# Altium PCB pcb.PcbDoc (part 1 of 3)
Units mil, origin at the board's own origin, x right, y up, seen from the top; angles counter-clockwise.
Board outline 4487.66 x 5255 mil, 2 copper layers (Top Layer, Bottom Layer); 214 components, 192 nets, 883 pads, 298 vias.
Unrouted connection lines stored in the file: 2.
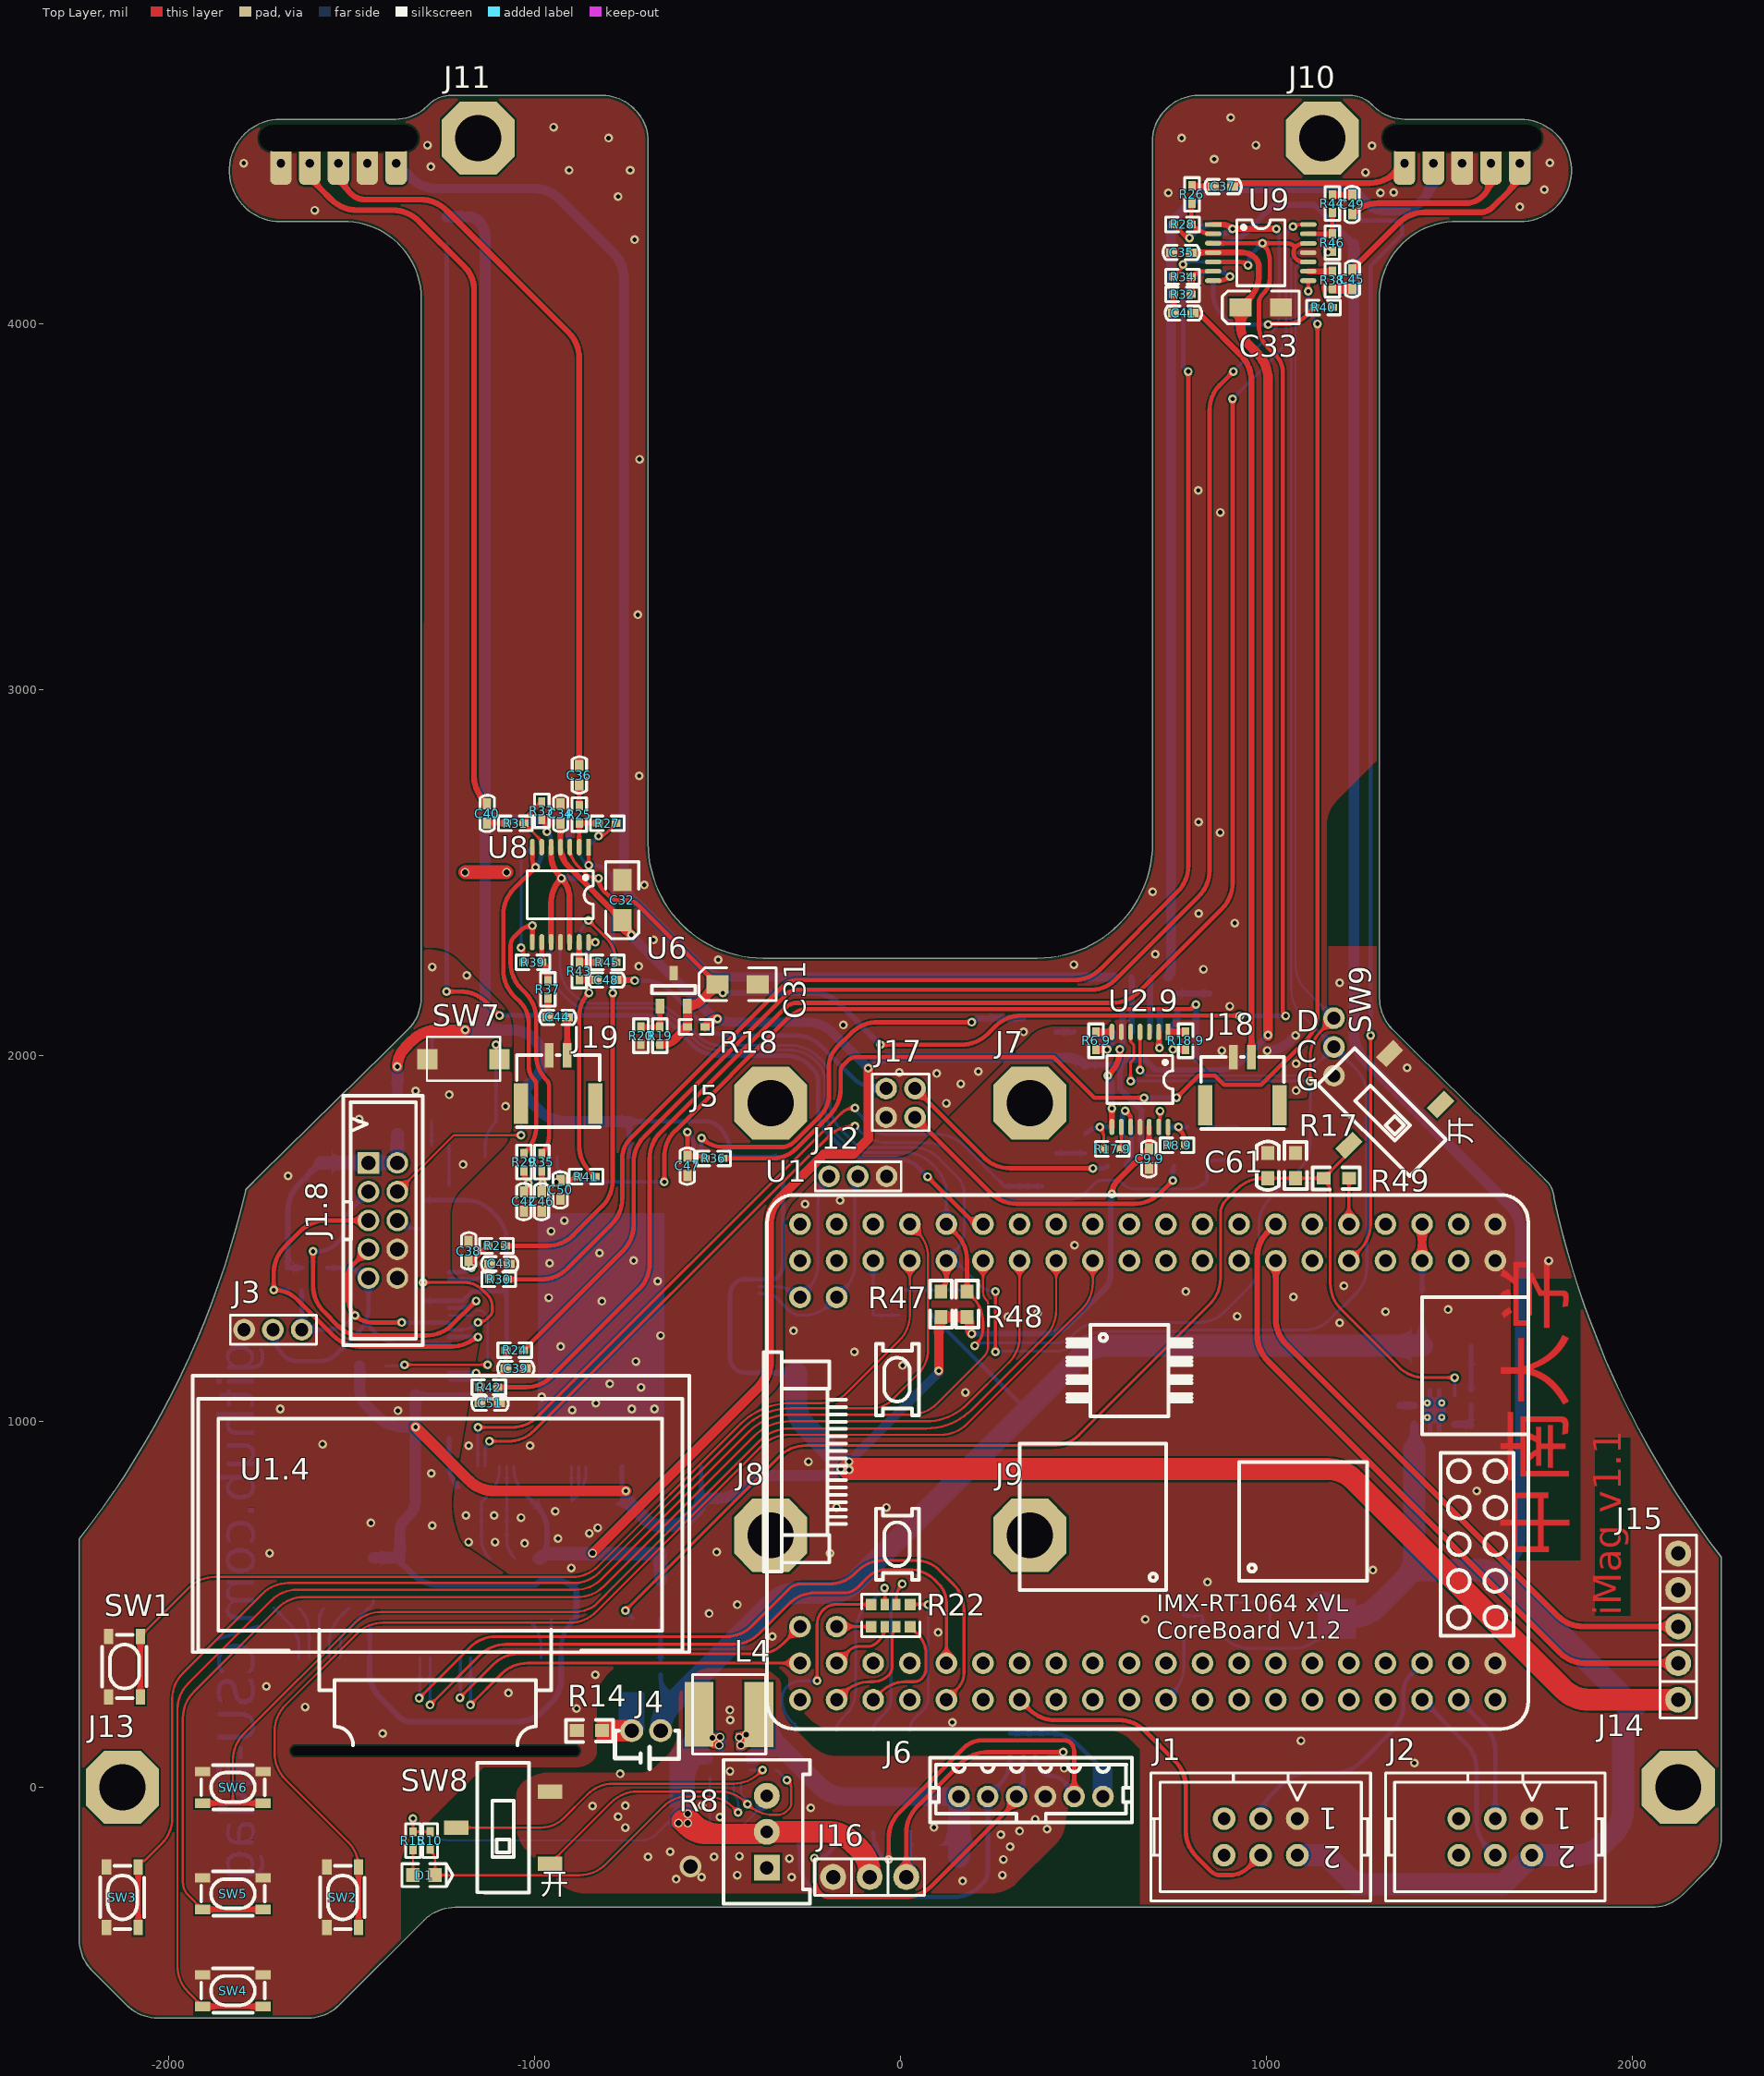
[diagram p0: Top Layer view]
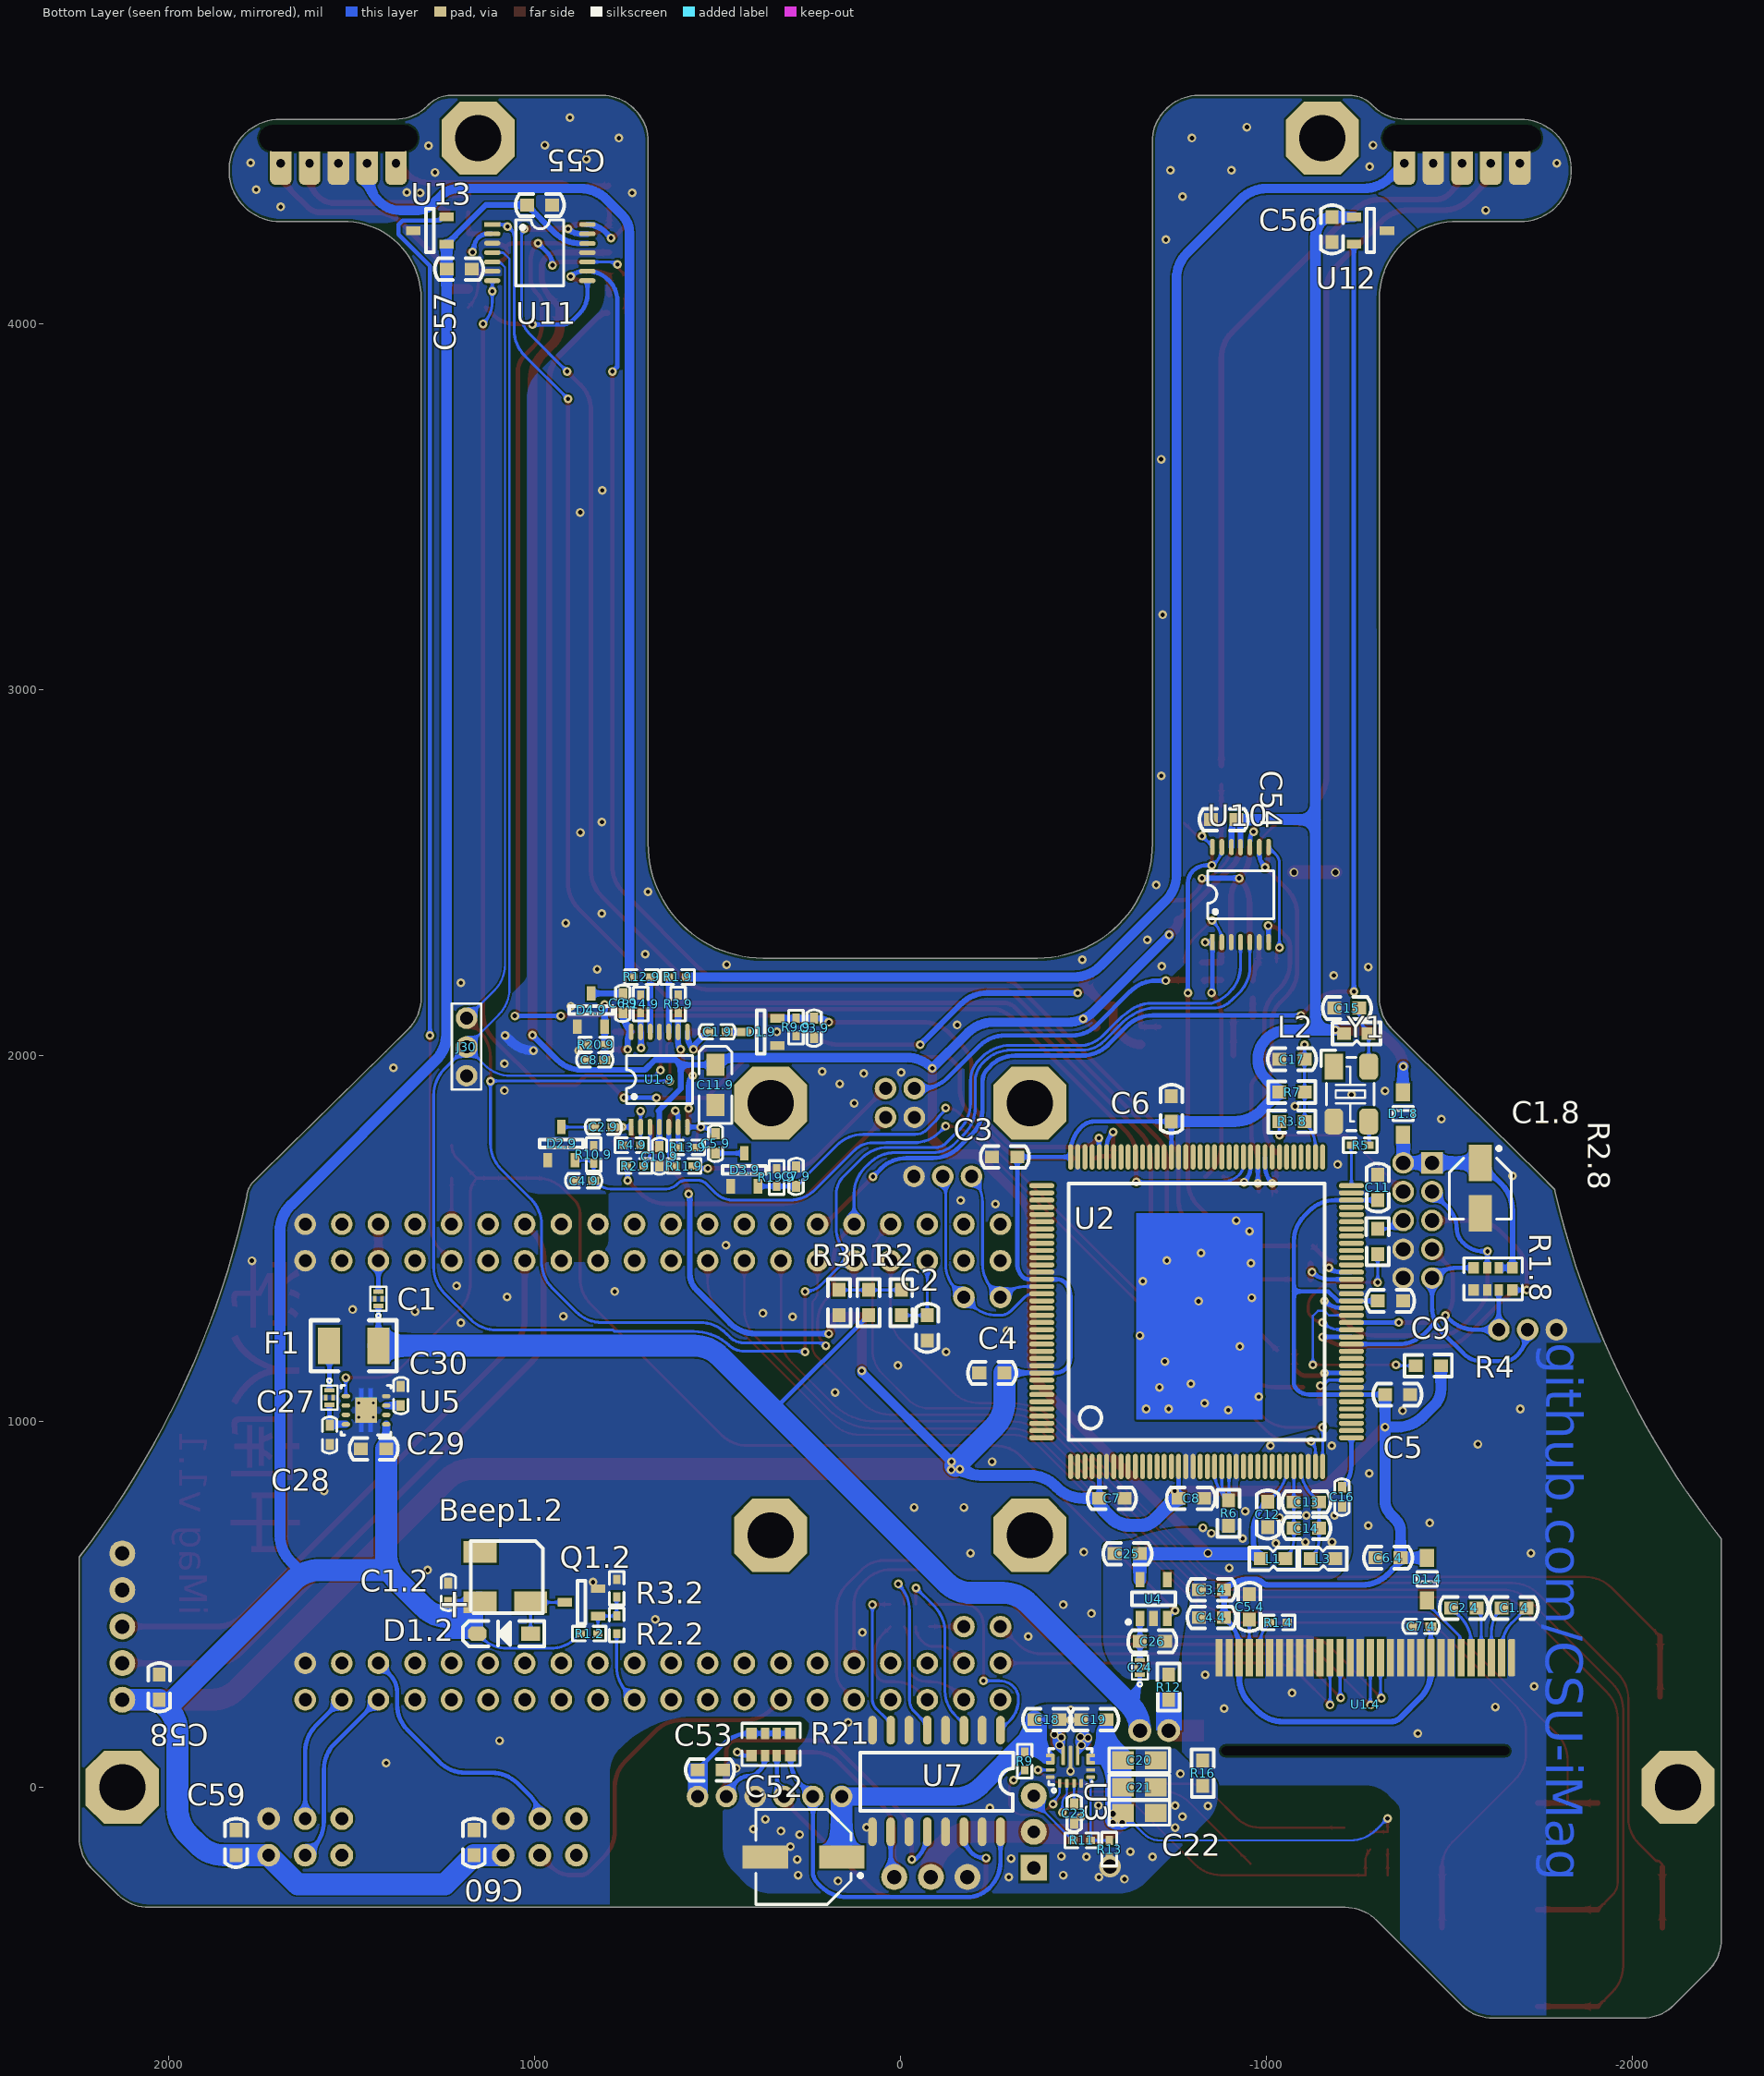
[diagram p1: Bottom Layer view, seen from below]

## Layer stack, top to bottom
Top Solder: solder mask 0.4, Solder Resist, Dk 3.5
Top Layer: signal copper 1.4
Dielectric 1: dielectric 12.6, FR-4, Dk 4.8
Bottom Layer: signal copper 1.4
Bottom Solder: solder mask 0.4, Solder Resist, Dk 3.5

## Board outline
-2114.35,-595.25 -2208.63,-500.96 cw(c-2123.28,-415.61) -2243.99,-415.61 -2243.99,678.98 ccw(c-4156.35,2176.87) -1789.66,1629.55 cw(c-1780.42,1629.55) -1786.95,1636.08 -1748.86,1674.17 -1405.66,2011.33 -1344.8,2072.18 ccw(c-1430.16,2157.53) -1309.45,2157.53 -1309.45,2265.12 -1309.45,4069.62 -1309.2,4069.62 ccw(c-1519.22,4069.62) -1508.99,4279.39 -1693.99,4279.39 cw(c-1693.99,4419.39) -1693.99,4559.39 -1378.99,4559.39 ccw(c-1378.99,4680.11) -1293.63,4594.75 -1288.99,4599.39 cw(c-1228.63,4539.04) -1228.63,4624.39 -813.99,4624.39 cw(c-813.99,4503.68) -728.63,4589.04 -724.35,4584.75 cw(c-809.7,4499.39) -688.99,4499.39 -688.99,2580.35 -689.19,2580.55 ccw(c-375.14,2580.55) -375.14,2266.5 375.12,2266.5 ccw(c375.12,2580.55) 689.16,2580.55 688.96,2580.35 688.96,4499.39 cw(c809.67,4499.39) 724.32,4584.75 728.61,4589.04 cw(c813.96,4503.68) 813.96,4624.39 1228.61,4624.39 cw(c1228.61,4539.04) 1288.96,4599.39 1293.61,4594.75 ccw(c1378.96,4680.11) 1378.96,4559.39 1693.96,4559.39 cw(c1693.96,4419.39) 1693.96,4279.39 1508.96,4279.39 ccw(c1519.19,4069.62) 1309.17,4069.62 1309.42,4069.62 1309.42,2265.12 1309.42,2157.53 1309.45,2157.53 ccw(c1430.16,2157.53) 1344.8,2072.18 1405.65,2011.33 1748.86,1674.17 1768.05,1654.98 cw(c1724.64,1611.58) 1786.03,1611.58 ccw(c4193.72,2135.93) 2243.67,629.53 2243.67,-137.94 cw(c2122.96,-137.94) 2208.32,-223.3 2139.03,-292.59 cw(c2053.67,-207.23) 2053.67,-327.94 -1216.33,-327.94 ccw(c-1216.33,-448.65) -1301.68,-363.3 -1533.63,-595.25 cw(c-1618.99,-509.89) -1618.99,-630.61 -2028.99,-630.61 cw(c-2028.99,-509.9)

## Design rules (kind name [scope] priority, off if disabled: settings)
BoardOutlineClearance [All] p1: gap=7.87 ignorepadtopadclearanceinfootprint=FALSE
Clearance [All] p1: gap=5 ignorepadtopadclearanceinfootprint=TRUE except(0: Arc-Text Arc-Hole Track-Text Track-Hole SMDPad-Hole THPad-Hole Via-Hole Fill-Text Fill-Hole Poly-Text Poly-Hole Region-Text Region-Hole Text-Text; 3.5: SMDPad-Text THPad-Text Via-Text Text-Hole; 5.91: Via-Fill Via-Poly Via-Region; 5.98: Arc-Via Track-Via SMDPad-Fill SMDPad-Poly SMDPad-Region THPad-Fill THPad-Poly THPad-Region; 6: Arc-SMDPad Arc-THPad Track-SMDPad Track-THPad; 10: SMDPad-SMDPad SMDPad-THPad SMDPad-Via THPad-THPad THPad-Via Via-Via)
ComponentClearance [All] p1: gap=10 collisioncheckmode=3 verticalgap=10 showdistances=TRUE
DiffPairsRouting [All] p1: maxlimit=10 minlimit=6 mostfreqgap=10 toplayer_minwidth=5.98 toplayer_maxwidth=15 toplayer_prefwidth=15 bottomlayer_minwidth=5.98 bottomlayer_maxwidth=15 bottomlayer_prefwidth=15 maxuncoupledlength=500
HoleSize [All] p1: absolutevalues=TRUE maxlimit=23.62 minlimit=11.81 maxpercent=80.000 minpercent=20.000
MinimumSolderMaskSliver [All] p1: minsoldermaskwidth=1.97
PlaneConnect [All] p1: planeconnectstyle=Direct reliefexpansion=20 reliefentries=4 reliefconductorwidth=10 reliefairgap=10
PolygonConnect [All] p1: connectstyle=Direct reliefconductorwidth=10 reliefentries=4 polygonreliefangle="90 Angle" airgapwidth=10
RoomDefinition U_slave [InComponentClass('U_slave')] p1: confinementstyle=ConfineOut formatcopy=TRUE lockcomponents=FALSE outline 3321.01,3024.39 9081.01,3024.39 9081.01,4064.39 3321.01,4064.39
RoomDefinition U_power [InComponentClass('U_power')] p2: confinementstyle=ConfineOut formatcopy=TRUE lockcomponents=FALSE outline 3326.01,914.39 12526.01,914.39 12526.01,2974.39 3326.01,2974.39
RoomDefinition U_OPA4377 [InComponentClass('U_OPA4377')] p3: confinementstyle=ConfineOut formatcopy=TRUE lockcomponents=FALSE outline 3326.01,439.39 12391.01,439.39 12391.01,869.39 3326.01,869.39
RoomDefinition U_OLED [InComponentClass('U_OLED')] p4: confinementstyle=ConfineOut formatcopy=TRUE lockcomponents=FALSE outline 3321.01,-1100.61 6856.01,-1100.61 6856.01,389.39 3321.01,389.39
RoomDefinition U_JTAG [InComponentClass('U_JTAG')] p5: confinementstyle=ConfineOut formatcopy=TRUE lockcomponents=FALSE outline 3321.01,-1960.61 4691.01,-1960.61 4691.01,-1150.61 3321.01,-1150.61
RoomDefinition U_isolation [InComponentClass('U_isolation')] p6: confinementstyle=ConfineOut formatcopy=TRUE lockcomponents=FALSE outline 3326.01,-2690.61 6176.01,-2690.61 6176.01,-2010.61 3326.01,-2010.61
RoomDefinition U_invert [InComponentClass('U_invert')] p7: confinementstyle=ConfineOut formatcopy=TRUE lockcomponents=FALSE outline 3171.01,-3165.61 14181.01,-3165.61 14181.01,-2735.61 3171.01,-2735.61
RoomDefinition U_BEEP [InComponentClass('U_BEEP')] p8: confinementstyle=ConfineOut formatcopy=TRUE lockcomponents=FALSE outline 3326.01,-3660.61 5381.01,-3660.61 5381.01,-3215.61 3326.01,-3215.61
RoomDefinition top [InComponentClass('top')] p9: confinementstyle=ConfineOut formatcopy=TRUE lockcomponents=FALSE outline -2943.99,-3555.61 1711.01,-3555.61 1711.01,-1340.61 -2943.99,-1340.61
RoutingVias [All] p1: holewidth=15.75 width=27.56 viastyle="Through Hole" minholewidth=11.81 minwidth=23.62 maxholewidth=248.03 maxwidth=275.59
SilkToSilkClearance [All] p1: silktosilkclearance=5
SilkToSolderMaskClearance [IsPad] p1: minsilkscreentomaskgap=3.5 clearancetoexposedcopper=FALSE
SolderMaskExpansion [All] p1: expansion=4 istentingtop=FALSE
UnRoutedNet [All] p1: checkbadconnections=TRUE
Width [All] p1: maxlimit=80 minlimit=5 preferedwidth=10
22 further rules are at their usual default settings.

## Classes and differential pairs
net class HS: AD_B1_00 AD_B1_01 AD_B1_10 AD_B1_11
net class GND: AGND GND PGND
net class ANALOG: AGND NetC36_1 NetC36_2 NetC37_1 NetC37_2 NetC40_1 NetC40_2 NetC41_2 NetC44_2 NetC45_1 NetC45_2 NetC48_2 NetC49_1 NetC49_2 NetR25_1 NetR26_1 NetR27_2 NetR28_2 NetR31_1 NetR32_1 NetR33_2 NetR34_2 NetR37_1 NetR38_1 NetR39_2 NetR40_2 NetR43_1 NetR44_1 NetR45_2 NetR46_2 NetU10_1 NetU10_2 NetU10_3 NetU10_6 NetU10_7 NetU10_8 NetU10_9 NetU10_10 NetU10_11 NetU10_12 NetU10_13 NetU10_14 NetU11_1 NetU11_2 NetU11_3 NetU11_4 NetU11_5 NetU11_6 NetU11_7 NetU11_8 NetU11_9 NetU11_10 NetU11_11 NetU11_12 NetU11_13 NetU11_14 P0B0 P0B1 P0W0 P0W1 P1B0 P1B1 P1W0 P1W1 P2B0 P2B1 P2W0 P2W1 P3B0 P3B1 P3W0 P3W1 S1 S2 S3 SE8 SE9 SE10 SE11 SE12 SE14 SE17 SE18 Vref
net class POW: BAT Vadj VCC VDDA Vm
component class U_slave: C3 C4 C5 C6 C7 C8 C9 C11 C12 C13 C14 C15 C16 C17 J3 J12 J17 J18 J19 L1 L2 L3 R4 R5 R6 R7 R47 R48 SW7 U2 Y1
component class U_power: C18 C19 C20 C21 C22 C23 C24 C25 C26 C27 C28 C29 C30 C31 C52 D1 F1 J4 L4 R8 R9 R10 R11 R12 R13 R14 R15 R16 R17 R18 R19 R20 SW8 SW9 U3 U4 U5 U6
component class U_OPA4377: C1.9 C2.9 C3.9 C4.9 C5.9 C6.9 C7.9 C8.9 C9.9 C10.9 C11.9 D1.9 D2.9 D3.9 D4.9 R1.9 R2.9 R3.9 R4.9 R6.9 R8.9 R9.9 R10.9 R11.9 R12.9 R13.9 R14.9 R17.9 R18.9 R19.9 R20.9 U1.9 U2.9
component class U_OLED: C1.4 C2.4 C3.4 C4.4 C5.4 C6.4 C7.4 D1.4 R1.4 U1.4
component class U_JTAG: C1.8 D1.8 J1.8 R1.8 R2.8 R3.8
component class U_isolation: C53 J5 J6 J7 J8 J9 J10 J11 J13 J14 J16 R21 R22 U7
component class U_invert: C32 C33 C34 C35 C36 C37 C38 C39 C40 C41 C42 C43 C44 C45 C46 C47 C48 C49 C50 C51 C54 C55 R23 R24 R25 R26 R27 R28 R29 R30 R31 R32 R33 R34 R35 R36 R37 R38 R39 R40 R41 R42 R43 R44 R45 R46 U8 U9 U10 U11
component class U_BEEP: Beep1.2 C1.2 D1.2 Q1.2 R1.2 R2.2 R3.2
component class top: C1 C2 C56 C57 C58 C59 C60 C61 J1 J2 J15 R1 R2 R3 R49 SW1 SW2 SW3 SW4 SW5 SW6 U1 U12 U13

## Components (designator, comment, footprint, x,y, rotation, side; value= is the part's Value field where it differs from the comment)
Beep1.2 "蜂鸣器" Beep-5.0*5.0 1079.07,574.5 r180 bottom (schematic designator Beep1)
C1 "NFM15PC" FILTER-SMD_3P-L1.0-W0.5-L 1426.01,1335.32 r90 bottom
C1.2 "104" C0402 1235,555.6 r270 bottom value=22pF (schematic designator C1)
C1.4 "105" C0603 -1712.16,490.32 r0 bottom value=22pF (schematic designator C1)
C1.8 "电解电容" "贴片电解 4*5.4" -1585,1637.98 r270 bottom value=100pF (schematic designator C1)
C1.9 "104" C0402 523.01,2064.68 r180 bottom value=22pF (schematic designator C1)
C2 "104" C0603 -73.99,1221.16 r90 bottom value=22pF
C2.4 "105" C0603 -1575,490.32 r0 bottom value=22pF (schematic designator C2)
C2.9 "104" C0402 788,1804.84 r0 bottom value=22pF (schematic designator C2)
C3 "104" C0603 -251,1723.1 r180 bottom value=22pF
C3.4 "225" C0603 -816,540 r180 bottom value=22pF (schematic designator C3)
C3.9 "104" C0402 235,2052.09 r90 bottom value=22pF (schematic designator C3)
C4 "104" C0603 -216.03,1132.68 r180 bottom value=22pF
C4.4 "105" C0603 -816,464.14 r180 bottom value=22pF (schematic designator C4)
C4.9 "104" C0402 888,1657.51 r180 bottom value=22pF (schematic designator C4)
C5 "104" C0603 -1394,1073.62 r0 bottom value=22pF
C5.4 "225" C0603 -954.11,527.93 r270 bottom value=22pF (schematic designator C5)
C5.9 "104" C0402 505,1783.42 r270 bottom value=22pF (schematic designator C5)
C6 "104" C0603 -741.1,1889 r270 bottom value=22pF
C6.4 "225" C0603 -1298.53,627.62 r180 bottom value=22pF (schematic designator C6)
C6.9 "104" C0402 757.61,2120 r90 bottom value=22pF (schematic designator C6)
C7 "104" C0603 -613.25,790 r0 bottom value=22pF
C7.4 "104" C0402 -1400,440 r180 bottom value=22pF (schematic designator C7)
C7.9 "104" C0402 285,1692.87 r270 bottom value=22pF (schematic designator C7)
C8 "104" C0603 -829.79,790 r0 bottom value=22pF
C8.9 "104" C0402 857.6,1987.67 r180 bottom value=22pF (schematic designator C8)
C9 "104" C0603 -1374,1329.53 r0 bottom value=22pF
C9.9 "104" C0402 679.77,1695 r90 top value=22pF (schematic designator C9)
C10.9 "104" C0402 658.23,1748.33 r270 bottom value=22pF (schematic designator C10)
C11 "104" C0603 -1305,1674.12 r270 bottom value=22pF
C11.9 "106" 3216-ce 505,1975 r90 bottom value=100pF (schematic designator C11)
C12 "103" C0603 -1004.4,711 r90 bottom value=22pF
C13 "104" C0603 -1144.75,780 r0 bottom value=22pF
C14 "103" C0603 -1144.75,708.48 r0 bottom value=22pF
C15 "103" C0603 -1186,2130 r180 bottom value=22pF
C16 "104" C0402 -1207.76,770.21 r90 bottom value=22pF
C17 "104" C0603 -1036,1990 r180 bottom value=22pF
C18 "106" C0603 -366.67,185 r180 bottom value=22pF
C19 "106" C0603 -495,185 r180 bottom value=22pF
C20 "226" 0805C -653.63,73.96 r0 bottom value=22pF
C21 "226" 0805C -653.63,0 r0 bottom value=22pF
C22 "226" 0805C -653.63,-70 r0 bottom value=22pF
C23 "104" C0402 -475.04,-48 r270 bottom value=22pF
C24 "NFM15PC" FILTER-SMD_3P-L1.0-W0.5-L -655,328.08 r90 bottom
C25 "105" C0603 -586,638.62 r180 bottom value=22pF
C26 "105" C0603 -724,398.88 r0 bottom value=22pF
C27 "NFM15PC" FILTER-SMD_3P-L1.0-W0.5-L 1560,1065.31 r270 bottom
C28 "104" C0402 1559,940 r90 bottom value=22pF
C29 "225" C0603 1473.76,925 r180 bottom value=22pF
C30 "103" C0402 1365,1093.59 r270 bottom value=22pF
C31 "电解电容" 3216-ce -499.68,2195 r180 top value=100pF
C32 "106" 3216-ce -760,2370 r270 top value=100pF
C33 "106" 3216-ce 930,4045 r180 top value=100pF
C34 "104" C0402 -928.82,2685 r270 top value=22pF
C35 "104" C0402 745,4195 r0 top value=22pF
C36 "104" C0402 -877.64,2790 r270 top value=22pF
C37 "104" C0402 905,4375.7 r180 top value=22pF
C38 "？" C0402 -1180.06,1489.39 r270 top value=22pF
C39 "？" C0402 -1027.77,1145 r180 top value=22pF
C40 "104" C0402 -1129.41,2685 r270 top value=22pF
C41 "104" C0402 796.8,4030 r180 top value=22pF
C42 "？" C0402 -1028.2,1578.13 r90 top value=22pF
C43 "？" C0402 -1071.68,1431.21 r180 top value=22pF
C44 "104" C0402 -913.39,2105 r180 top value=22pF
C45 "104" C0402 1235,4145.62 r270 top value=22pF
C46 "？" C0402 -980,1578.13 r90 top value=22pF
C47 "？" C0402 -581.68,1675 r90 top value=22pF